# Allegro board 1281021_HW-FMC-XM500_Rev1_0.brd (continued)
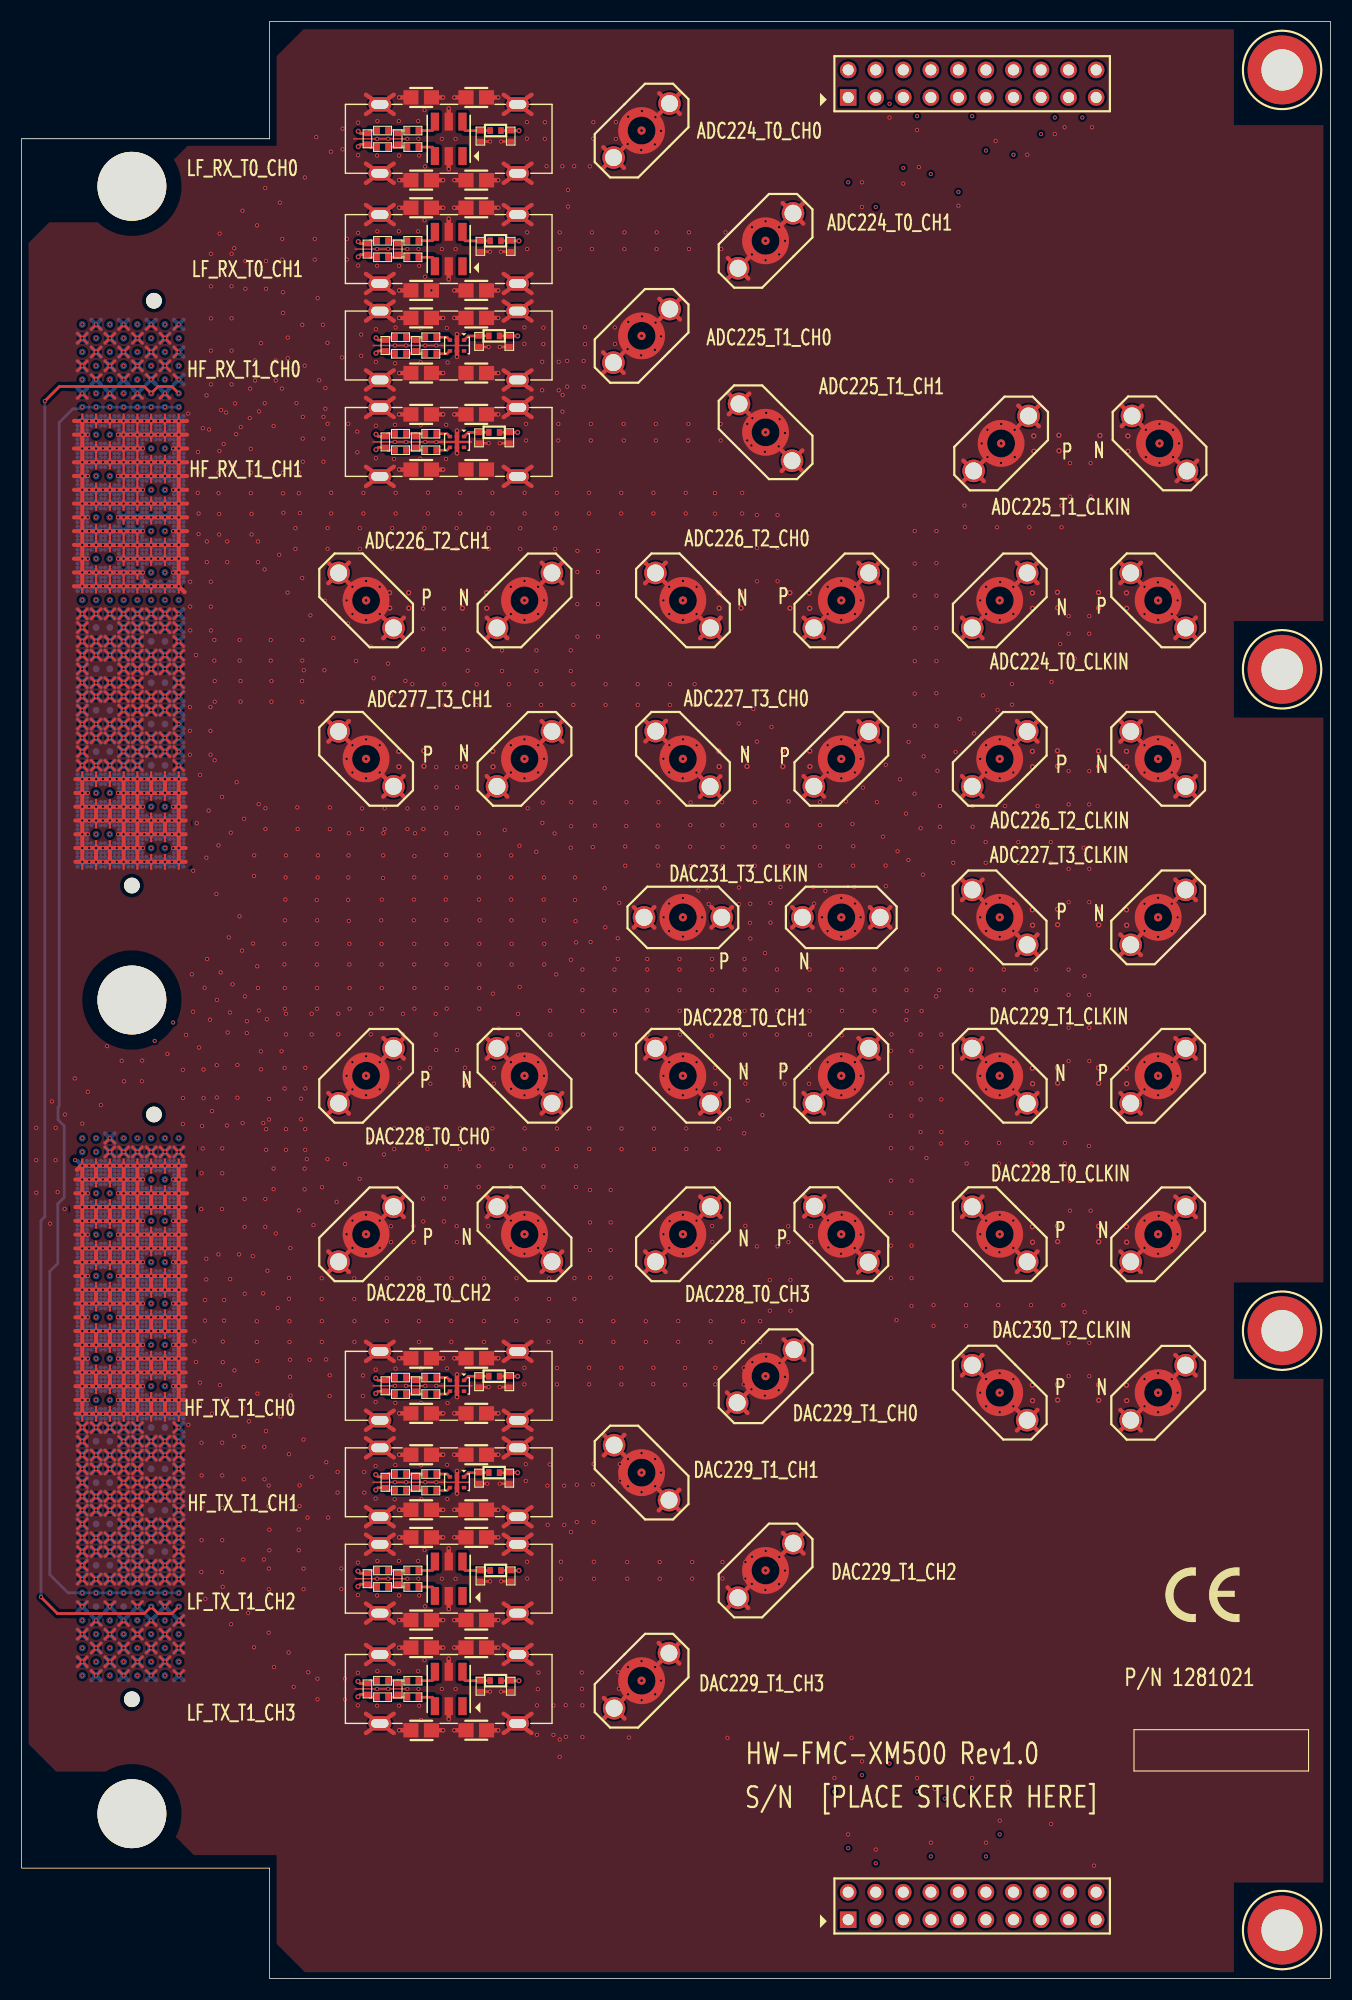
[diagram p0: board, top side]
## Routing (per net, layer and track width the routed paths; a pad name or vN(x,y) marks a point on that pad's centre or on a via; arc(x,y) is an arc through that point) (continued)
  L03_GND w0.381: RFCAGE5.2 47,137.54 ; RFCAGE5.2 47,139.32 ; RFCAGE5.2 44.44,139.32 ; RFCAGE5.2 44.44,137.54 ; 6.48,122.85 v2(6.86,123.22) ; v2(6.86,123.22) 6.48,123.6 ; v2(6.86,123.22) 7.23,122.85 ; v2(6.86,123.22) 7.23,123.6 ; 101.29,128.58 J30.2 ; J30.2 103.19,130.48 ; J30.2 103.19,128.58 ; J30.2 101.29,130.48 ; v2(9.4,120.68) 9.77,120.31 ; v2(9.4,120.68) 9.02,120.31 ; v2(9.4,120.68) 9.77,121.06 ; v2(9.4,120.68) 9.02,121.06 ; v2(13.21,40.61) 13.58,40.98 ; v2(13.21,40.61) 12.83,40.98 ; v2(13.21,40.61) 12.83,40.23 ; v2(13.21,40.61) 13.58,40.23 ; 9.02,43.52 v2(9.4,43.15) ; v2(9.4,43.15) 9.77,42.77 ; v2(9.4,43.15) 9.02,42.77 ; v2(9.4,43.15) 9.77,43.52 ; 12.83,151.54 v2(13.21,151.16) ; v2(13.21,151.16) 13.58,150.79 ; v2(13.21,151.16) 13.58,151.54 ; v2(13.21,151.16) 12.83,150.79 ; v2(5.59,44.42) 5.96,44.79 ; v2(5.59,44.42) 5.21,44.04 ; v2(5.59,44.42) 5.21,44.79 ; v2(5.59,44.42) 5.96,44.04 ; 9.02,126.14 v2(9.4,125.76) ; v2(9.4,125.76) 9.77,125.39 ; v2(9.4,125.76) 9.77,126.14 ; v2(9.4,125.76) 9.02,125.39 ; 6.48,30.82 v2(6.86,30.45) ; v2(6.86,30.45) 7.23,30.82 ; v2(6.86,30.45) 6.48,30.07 ; v2(6.86,30.45) 7.23,30.07 ; 53.67,25.84 J6.3 ; J6.3 53.67,23.94 ; J6.3 55.57,25.84 ; J6.3 55.57,23.94 ; v2(10.67,151.16) 11.04,151.54 ; v2(10.67,151.16) 11.04,150.79 ; v2(10.67,151.16) 10.29,151.54 ; v2(10.67,151.16) 10.29,150.79 ; v2(8.13,125.76) 8.5,125.39 ; v2(8.13,125.76) 7.75,126.14 ; v2(8.13,125.76) 7.75,125.39 ; v2(8.13,125.76) 8.5,126.14 ; 14.1,37.17 v2(14.48,36.8) ; v2(14.48,36.8) 14.85,37.17 ; v2(14.48,36.8) 14.1,36.42 ; v2(14.48,36.8) 14.85,36.42 ; 72.08,81.6 J20.3 ; J20.3 73.98,79.7 ; J20.3 73.98,81.6 ; J20.3 72.08,79.7 ; 5.21,42.77 v2(5.59,43.15) ; v2(5.59,43.15) 5.96,42.77 ; v2(5.59,43.15) 5.96,43.52 ; v2(5.59,43.15) 5.21,43.52 ; 12.83,44.04 v2(13.21,44.42) ; v2(13.21,44.42) 13.58,44.04 ; v2(13.21,44.42) 13.58,44.79 ; v2(13.21,44.42) 12.83,44.79 ; 9.02,146.98 v2(9.4,147.35) ; v2(9.4,147.35) 9.77,147.73 ; v2(9.4,147.35) 9.02,147.73 ; v2(9.4,147.35) 9.77,146.98 ; 28.27,65.1 J22.2 ; J22.2 28.27,67 ; J22.2 30.17,67 ; J22.2 30.17,65.1 ; 6.48,115.23 v2(6.86,115.6) ; v2(6.86,115.6) 7.23,115.23 ; v2(6.86,115.6) 6.48,115.98 ; v2(6.86,115.6) 7.23,115.98 ; v2(10.67,50.77) 11.04,50.39 ; v2(10.67,50.77) 10.29,51.14 ; v2(10.67,50.77) 11.04,51.14 ; v2(10.67,50.77) 10.29,50.39 ; v2(6.86,149.89) 7.23,149.52 ; v2(6.86,149.89) 6.48,150.27 ; v2(6.86,149.89) 6.48,149.52 ; v2(6.86,149.89) 7.23,150.27 ; 10.29,114.71 v2(10.67,114.33) ; v2(10.67,114.33) 11.04,114.71 ; v2(10.67,114.33) 11.04,113.96 ; v2(10.67,114.33) 10.29,113.96 ; 10.29,31.34 v2(10.67,31.72) ; v2(10.67,31.72) 11.04,32.09 ; v2(10.67,31.72) 10.29,32.09 ; v2(10.67,31.72) 11.04,31.34 ; 47.94,115.88 J40.3 ; J40.3 47.94,113.98 ; J40.3 49.84,115.88 ; J40.3 49.84,113.98 ; v2(11.94,125.76) 12.31,126.14 ; v2(11.94,125.76) 12.31,125.39 ; v2(11.94,125.76) 11.56,125.39 ; v2(11.94,125.76) 11.56,126.14 ; 101.29,115.88 J894.2 ; J894.2 103.19,115.88 ; J894.2 103.19,113.98 ; J894.2 101.29,113.98 ; 6.48,119.79 v2(6.86,119.41) ; v2(6.86,119.41) 7.23,119.04 ; v2(6.86,119.41) 7.23,119.79 ; v2(6.86,119.41) 6.48,119.04 ; v2(9.4,48.23) 9.77,47.85 ; v2(9.4,48.23) 9.02,48.6 ; v2(9.4,48.23) 9.02,47.85 ; v2(9.4,48.23) 9.77,48.6 ; 47.94,130.48 J35.3 ; J35.3 49.84,130.48 ; J35.3 47.94,128.58 ; J35.3 49.84,128.58 ; v2(6.86,46.96) 7.23,47.33 ; v2(6.86,46.96) 6.48,46.58 ; v2(6.86,46.96) 6.48,47.33 ; v2(6.86,46.96) 7.23,46.58 ; v2(6.86,32.99) 7.23,33.36 ; v2(6.86,32.99) 7.23,32.61 ; v2(6.86,32.99) 6.48,32.61 ; v2(6.86,32.99) 6.48,33.36 ; 72.08,110.81 J37.3 ; J37.3 72.08,108.91 ; J37.3 73.98,108.91 ; J37.3 73.98,110.81 ; 6.48,126.14 v2(6.86,125.76) ; v2(6.86,125.76) 7.23,125.39 ; v2(6.86,125.76) 6.48,125.39 ; v2(6.86,125.76) 7.23,126.14 ; 28.27,79.7 J26.3 ; J26.3 30.17,79.7 ; J26.3 28.27,81.6 ; J26.3 30.17,81.6 ; J4.2 60.68,171.84 ; J4.2 60.68,173.75 ; J4.2 58.78,171.84 ; J4.2 58.78,173.75 ; 11.56,37.69 v2(11.94,38.07) ; v2(11.94,38.07) 11.56,38.44 ; v2(11.94,38.07) 12.31,37.69 ; v2(11.94,38.07) 12.31,38.44 ; v2(14.48,44.42) 14.85,44.04 ; v2(14.48,44.42) 14.85,44.79 ; v2(14.48,44.42) 14.1,44.79 ; v2(14.48,44.42) 14.1,44.04 ; v2(9.4,41.88) 9.77,41.5 ; v2(9.4,41.88) 9.02,41.5 ; v2(9.4,41.88) 9.77,42.25 ; v2(9.4,41.88) 9.02,42.25 ; 106.36,55.56 J897.3 ; J897.3 108.26,57.46 ; J897.3 106.36,57.46 ; J897.3 108.26,55.56 ; RFCAGE7.2 47,157.1 ; RFCAGE7.2 44.44,157.1 ; RFCAGE7.2 44.44,155.32 ; RFCAGE7.2 47,155.32 ; 70.25,58.9 J7.2 ; J7.2 72.15,56.99 ; J7.2 72.15,58.9 ; J7.2 70.25,56.99 ; 71.03,98.74 J899.2 ; J899.2 72.93,98.74 ; J899.2 72.93,96.84 ; J899.2 71.03,96.84 ; RFCAGE1.2 47,22.6 ; RFCAGE1.2 44.44,22.6 ; RFCAGE1.2 47,24.39 ; RFCAGE1.2 44.44,24.39 ; 6.48,118.52 v2(6.86,118.14) ; v2(6.86,118.14) 7.23,117.77 ; v2(6.86,118.14) 7.23,118.52 ; v2(6.86,118.14) 6.48,117.77 ; v2(9.4,119.41) 9.77,119.79 ; v2(9.4,119.41) 9.02,119.79 ; v2(9.4,119.41) 9.02,119.04 ; v2(9.4,119.41) 9.77,119.04 ; 31.74,145.67 RFCAGE5.4 ; RFCAGE5.4 31.74,143.89 ; RFCAGE5.4 34.3,143.89 ; RFCAGE5.4 34.3,145.67 ; 12.83,48.6 v2(13.21,48.23) ; v2(13.21,48.23) 12.83,47.85 ; v2(13.21,48.23) 13.58,47.85 ; v2(13.21,48.23) 13.58,48.6 ; 10.29,40.23 v2(10.67,40.61) ; v2(10.67,40.61) 11.04,40.98 ; v2(10.67,40.61) 10.29,40.98 ; v2(10.67,40.61) 11.04,40.23 ; 14.1,146.98 v2(14.48,147.35) ; v2(14.48,147.35) 14.85,146.98 ; v2(14.48,147.35) 14.85,147.73 ; v2(14.48,147.35) 14.1,147.73 ; 14.1,76.54 v2(14.48,76.17) ; v2(14.48,76.17) 14.85,76.54 ; v2(14.48,76.17) 14.1,75.79 ; v2(14.48,76.17) 14.85,75.79 ; J889.2 88.72,139.89 ; J889.2 86.81,137.99 ; J889.2 86.81,139.89 ; J889.2 88.72,137.99 ; 9.02,44.79 v2(9.4,44.42) ; v2(9.4,44.42) 9.77,44.04 ; v2(9.4,44.42) 9.02,44.04 ; v2(9.4,44.42) 9.77,44.79 ; 11.56,114.71 v2(11.94,114.33) ; v2(11.94,114.33) 11.56,113.96 ; v2(11.94,114.33) 12.31,114.71 ; v2(11.94,114.33) 12.31,113.96 ; J21.3 59.38,84.77 ; J21.3 57.48,84.77 ; J21.3 59.38,86.67 ; J21.3 57.48,86.67 ; v2(10.67,46.96) 11.04,46.58 ; v2(10.67,46.96) 11.04,47.33 ; v2(10.67,46.96) 10.29,46.58 ; v2(10.67,46.96) 10.29,47.33 ; J27.2 49.84,79.7 ; J27.2 49.84,81.6 ; J27.2 47.94,81.6 ; J27.2 47.94,79.7 ; J7.3 66.91,54 ; J7.3 66.91,52.1 ; J7.3 65.01,54 ; J7.3 65.01,52.1 ; v2(5.59,120.68) 5.96,120.31 ; v2(5.59,120.68) 5.21,120.31 ; v2(5.59,120.68) 5.96,121.06 ; v2(5.59,120.68) 5.21,121.06 ; v2(8.13,39.34) 8.5,38.96 ; v2(8.13,39.34) 7.75,39.71 ; v2(8.13,39.34) 8.5,39.71 ; v2(8.13,39.34) 7.75,38.96 ; 12.83,29.55 v2(13.21,29.18) ; v2(13.21,29.18) 13.58,28.8 ; v2(13.21,29.18) 12.83,28.8 ; v2(13.21,29.18) 13.58,29.55 ; 91.75,96.21 J891.2 ; J891.2 93.65,96.21 ; J891.2 91.75,94.31 ; J891.2 93.65,94.31 ; v2(6.86,50.77) 7.23,51.14 ; v2(6.86,50.77) 6.48,50.39 ; v2(6.86,50.77) 7.23,50.39 ; v2(6.86,50.77) 6.48,51.14 ; 58.79,154.8 J2.2 ; J2.2 58.79,152.9 ; J2.2 60.7,152.9 ; J2.2 60.7,154.8 ; J900.3 65.49,96.84 ; J900.3 65.49,98.74 ; J900.3 63.59,96.84 ; J900.3 63.59,98.74 ; v2(9.4,114.33) 9.77,114.71 ; v2(9.4,114.33) 9.77,113.96 ; v2(9.4,114.33) 9.02,113.96 ; v2(9.4,114.33) 9.02,114.71 ; 11.56,40.23 v2(11.94,40.61) ; v2(11.94,40.61) 12.31,40.98 ; v2(11.94,40.61) 11.56,40.98 ; v2(11.94,40.61) 12.31,40.23 ; v2(10.67,115.6) 11.04,115.98 ; v2(10.67,115.6) 11.04,115.23 ; v2(10.67,115.6) 10.29,115.23 ; v2(10.67,115.6) 10.29,115.98 ; 11.56,150.27 v2(11.94,149.89) ; v2(11.94,149.89) 11.56,149.52 ; v2(11.94,149.89) 12.31,149.52 ; v2(11.94,149.89) 12.31,150.27 ; v2(11.94,36.8) 12.31,37.17 ; v2(11.94,36.8) 11.56,37.17 ; v2(11.94,36.8) 12.31,36.42 ; v2(11.94,36.8) 11.56,36.42 ; 77.1,65.05 J24.2 ; J24.2 77.1,66.95 ; J24.2 79,66.95 ; J24.2 79,65.05 ; J896.3 108.26,84.77 ; J896.3 108.26,86.67 ; J896.3 106.36,84.77 ; J896.3 106.36,86.67 ; 14.1,43.52 v2(14.48,43.15) ; v2(14.48,43.15) 14.85,43.52 ; v2(14.48,43.15) 14.1,42.77 ; v2(14.48,43.15) 14.85,42.77 ; RFCAGE2.2 47,34.55 ; RFCAGE2.2 44.44,32.76 ; RFCAGE2.2 44.44,34.55 ; RFCAGE2.2 47,32.76 ; 7.75,44.04 v2(8.13,44.42) ; v2(8.13,44.42) 7.75,44.79 ; v2(8.13,44.42) 8.5,44.79 ; v2(8.13,44.42) 8.5,44.04 ; 14.1,47.33 v2(14.48,46.96) ; v2(14.48,46.96) 14.85,47.33 ; v2(14.48,46.96) 14.85,46.58 ; v2(14.48,46.96) 14.1,46.58 ; J890.3 108.38,137.99 ; J890.3 106.48,139.89 ; J890.3 108.38,139.89 ; J890.3 106.48,137.99 ; 31.74,41.65 RFCAGE3.1 ; RFCAGE3.1 34.3,43.44 ; RFCAGE3.1 31.74,43.44 ; RFCAGE3.1 34.3,41.65 ; 101.29,81.6 J896.2 ; J896.2 103.19,79.7 ; J896.2 101.29,79.7 ; J896.2 103.19,81.6 ; RFCAGE2.3 47,39.11 ; RFCAGE2.3 44.44,40.9 ; RFCAGE2.3 47,40.9 ; RFCAGE2.3 44.44,39.11 ; 31.74,52.33 RFCAGE4.1 ; RFCAGE4.1 34.3,52.33 ; RFCAGE4.1 34.3,50.54 ; RFCAGE4.1 31.74,50.54 ; 44.44,28.95 RFCAGE1.3 ; RFCAGE1.3 47,30.74 ; RFCAGE1.3 44.44,30.74 ; RFCAGE1.3 47,28.95 ; v2(10.67,38.07) 11.04,37.69 ; v2(10.67,38.07) 10.29,38.44 ; v2(10.67,38.07) 11.04,38.44 ; v2(10.67,38.07) 10.29,37.69 ; v2(14.48,50.77) 14.85,51.14 ; v2(14.48,50.77) 14.85,50.39 ; v2(14.48,50.77) 14.1,50.39 ; v2(14.48,50.77) 14.1,51.14 ; v2(11.94,45.69) 12.31,46.06 ; v2(11.94,45.69) 12.31,45.31 ; v2(11.94,45.69) 11.56,45.31 ; v2(11.94,45.69) 11.56,46.06 ; v2(9.4,111.79) 9.77,111.42 ; v2(9.4,111.79) 9.02,112.17 ; v2(9.4,111.79) 9.02,111.42 ; v2(9.4,111.79) 9.77,112.17 ; 10.29,117.25 v2(10.67,116.87) ; v2(10.67,116.87) 11.04,117.25 ; v2(10.67,116.87) 10.29,116.5 ; v2(10.67,116.87) 11.04,116.5 ; 7.75,77.06 v2(8.13,77.44) ; v2(8.13,77.44) 8.5,77.06 ; v2(8.13,77.44) 7.75,77.81 ; v2(8.13,77.44) 8.5,77.81 ; RFCAGE6.1 34.3,146.43 ; RFCAGE6.1 34.3,148.21 ; RFCAGE6.1 31.74,146.43 ; RFCAGE6.1 31.74,148.21 ; 72.13,70.21 J24.3 ; J24.3 72.13,72.11 ; J24.3 74.03,70.21 ; J24.3 74.03,72.11 ; J899.3 80.1,98.74 ; J899.3 78.2,98.74 ; J899.3 80.1,96.84 ; J899.3 78.2,96.84 ; v2(8.13,46.96) 8.5,47.33 ; v2(8.13,46.96) 7.75,47.33 ; v2(8.13,46.96) 8.5,46.58 ; v2(8.13,46.96) 7.75,46.58 ; v2(11.94,121.95) 12.31,121.58 ; v2(11.94,121.95) 11.56,122.33 ; v2(11.94,121.95) 11.56,121.58 ; v2(11.94,121.95) 12.31,122.33 ; 10.29,76.54 v2(10.67,76.17) ; v2(10.67,76.17) 10.29,75.79 ; v2(10.67,76.17) 11.04,76.54 ; v2(10.67,76.17) 11.04,75.79 ; J33.2 73.98,123.52 ; J33.2 73.98,125.42 ; J33.2 72.08,123.52 ; J33.2 72.08,125.42 ; 56.43,98.74 J900.2 ; J900.2 58.33,98.74 ; J900.2 56.43,96.84 ; J900.2 58.33,96.84 ; 57.48,130.48 J32.3 ; J32.3 57.48,128.58 ; J32.3 59.38,130.48 ; J32.3 59.38,128.58 ; 44.44,58.68 RFCAGE4.3 ; RFCAGE4.3 47,58.68 ; RFCAGE4.3 47,56.89 ; RFCAGE4.3 44.44,56.89 ; v2(14.48,121.95) 14.85,122.33 ; v2(14.48,121.95) 14.1,121.58 ; v2(14.48,121.95) 14.1,122.33 ; v2(14.48,121.95) 14.85,121.58 ; 7.75,75.79 v2(8.13,76.17) ; v2(8.13,76.17) 7.75,76.54 ; v2(8.13,76.17) 8.5,76.54 ; v2(8.13,76.17) 8.5,75.79 ; 6.48,122.33 v2(6.86,121.95) ; v2(6.86,121.95) 7.23,121.58 ; v2(6.86,121.95) 6.48,121.58 ; v2(6.86,121.95) 7.23,122.33 ; J23.3 44.77,72.06 ; J23.3 44.77,70.16 ; J23.3 42.87,72.06 ; J23.3 42.87,70.16 ; 5.21,125.39 v2(5.59,125.76) ; v2(5.59,125.76) 5.96,126.14 ; v2(5.59,125.76) 5.96,125.39 ; v2(5.59,125.76) 5.21,126.14 ; 14.1,120.31 v2(14.48,120.68) ; v2(14.48,120.68) 14.85,121.06 ; v2(14.48,120.68) 14.85,120.31 ; v2(14.48,120.68) 14.1,121.06 ; 6.48,114.71 v2(6.86,114.33) ; v2(6.86,114.33) 7.23,113.96 ; v2(6.86,114.33) 7.23,114.71 ; v2(6.86,114.33) 6.48,113.96 ; 86.69,110.81 J893.3 ; J893.3 88.59,108.91 ; J893.3 86.69,108.91 ; J893.3 88.59,110.81 ; 9.02,40.98 v2(9.4,40.61) ; v2(9.4,40.61) 9.77,40.98 ; v2(9.4,40.61) 9.02,40.23 ; v2(9.4,40.61) 9.77,40.23 ; 86.69,125.42 J31.3 ; J31.3 88.59,123.52 ; J31.3 88.59,125.42 ; J31.3 86.69,123.52 ; v2(13.21,148.62) 13.58,149 ; v2(13.21,148.62) 13.58,148.25 ; v2(13.21,148.62) 12.83,149 ; v2(13.21,148.62) 12.83,148.25 ; 6.48,111.42 v2(6.86,111.79) ; v2(6.86,111.79) 6.48,112.17 ; v2(6.86,111.79) 7.23,112.17 ; v2(6.86,111.79) 7.23,111.42 ; 44.44,41.65 RFCAGE3.2 ; RFCAGE3.2 47,41.65 ; RFCAGE3.2 47,43.44 ; RFCAGE3.2 44.44,43.44 ; v2(5.59,34.26) 5.96,34.63 ; v2(5.59,34.26) 5.21,33.88 ; v2(5.59,34.26) 5.21,34.63 ; v2(5.59,34.26) 5.96,33.88 ; v2(13.21,41.88) 13.58,42.25 ; v2(13.21,41.88) 12.83,41.5 ; v2(13.21,41.88) 12.83,42.25 ; v2(13.21,41.88) 13.58,41.5 ; RFCAGE6.4 34.3,154.56 ; RFCAGE6.4 34.3,152.78 ; RFCAGE6.4 31.74,152.78 ; RFCAGE6.4 31.74,154.56 ; 44.44,143.89 RFCAGE5.3 ; RFCAGE5.3 44.44,145.67 ; RFCAGE5.3 47,143.89 ; RFCAGE5.3 47,145.67 ; v2(14.48,118.14) 14.85,118.52 ; v2(14.48,118.14) 14.1,117.77 ; v2(14.48,118.14) 14.1,118.52 ; v2(14.48,118.14) 14.85,117.77 ; 14.1,41.5 v2(14.48,41.88) ; v2(14.48,41.88) 14.85,41.5 ; v2(14.48,41.88) 14.1,42.25 ; v2(14.48,41.88) 14.85,42.25 ; v2(14.48,152.43) 14.85,152.06 ; v2(14.48,152.43) 14.85,152.81 ; v2(14.48,152.43) 14.1,152.81 ; v2(14.48,152.43) 14.1,152.06 ; 33.33,108.91 J39.3 ; J39.3 35.23,108.91 ; J39.3 35.23,110.81 ; J39.3 33.33,110.81 ; 44.44,173.61 RFCAGE8.3 ; RFCAGE8.3 47,171.83 ; RFCAGE8.3 47,173.61 ; RFCAGE8.3 44.44,171.83 ; 7.75,117.77 v2(8.13,118.14) ; v2(8.13,118.14) 8.5,118.52 ; v2(8.13,118.14) 8.5,117.77 ; v2(8.13,118.14) 7.75,118.52 ; 14.1,112.17 v2(14.48,111.79) ; v2(14.48,111.79) 14.1,111.42 ; v2(14.48,111.79) 14.85,112.17 ; v2(14.48,111.79) 14.85,111.42 ; 57.48,67 J25.3 ; J25.3 57.48,65.1 ; J25.3 59.38,65.1 ; J25.3 59.38,67 ; 7.75,123.6 v2(8.13,123.22) ; v2(8.13,123.22) 7.75,122.85 ; v2(8.13,123.22) 8.5,123.6 ; v2(8.13,123.22) 8.5,122.85 ; 91.75,65.1 J28.3 ; J28.3 93.65,67 ; J28.3 91.75,67 ; J28.3 93.65,65.1 ; v2(5.59,124.49) 5.96,124.12 ; v2(5.59,124.49) 5.21,124.87 ; v2(5.59,124.49) 5.21,124.12 ; v2(5.59,124.49) 5.96,124.87 ; J28.2 88.59,72.06 ; J28.2 86.69,70.16 ; J28.2 88.59,70.16 ; J28.2 86.69,72.06 ; 10.29,145.71 v2(10.67,146.08) ; v2(10.67,146.08) 11.04,146.46 ; v2(10.67,146.08) 10.29,146.46 ; v2(10.67,146.08) 11.04,145.71 ; 12.83,124.87 v2(13.21,124.49) ; v2(13.21,124.49) 13.58,124.12 ; v2(13.21,124.49) 12.83,124.12 ; v2(13.21,124.49) 13.58,124.87 ; v2(9.4,36.8) 9.77,36.42 ; v2(9.4,36.8) 9.02,36.42 ; v2(9.4,36.8) 9.77,37.17 ; v2(9.4,36.8) 9.02,37.17 ; 14.1,124.87 v2(14.48,124.49) ; v2(14.48,124.49) 14.1,124.12 ; v2(14.48,124.49) 14.85,124.12 ; v2(14.48,124.49) 14.85,124.87 ; v2(10.67,123.22) 11.04,123.6 ; v2(10.67,123.22) 10.29,123.6 ; v2(10.67,123.22) 11.04,122.85 ; v2(10.67,123.22) 10.29,122.85 ; 10.29,42.77 v2(10.67,43.15) ; v2(10.67,43.15) 11.04,42.77 ; v2(10.67,43.15) 11.04,43.52 ; v2(10.67,43.15) 10.29,43.52 ; v2(9.4,152.43) 9.77,152.81 ; v2(9.4,152.43) 9.77,152.06 ; v2(9.4,152.43) 9.02,152.06 ; v2(9.4,152.43) 9.02,152.81 ; v2(9.4,124.49) 9.77,124.87 ; v2(9.4,124.49) 9.02,124.87 ; v2(9.4,124.49) 9.02,124.12 ; v2(9.4,124.49) 9.77,124.12 ; 91.88,143.05 J889.3 ; J889.3 91.88,144.95 ; J889.3 93.78,143.05 ; J889.3 93.78,144.95 ; J34.2 35.23,125.42 ; J34.2 35.23,123.52 ; J34.2 33.33,123.52 ; J34.2 33.33,125.42 ; 10.29,111.42 v2(10.67,111.79) ; v2(10.67,111.79) 11.04,111.42 ; v2(10.67,111.79) 10.29,112.17 ; v2(10.67,111.79) 11.04,112.17 ; 77.15,84.77 J20.2 ; J20.2 77.15,86.67 ; J20.2 79.05,84.77 ; J20.2 79.05,86.67 ; v2(10.67,36.8) 11.04,36.42 ; v2(10.67,36.8) 10.29,37.17 ; v2(10.67,36.8) 11.04,37.17 ; v2(10.67,36.8) 10.29,36.42 ; J5.2 72.08,39.15 ; J5.2 72.08,41.05 ; J5.2 70.18,41.05 ; J5.2 70.18,39.15 ; 14.1,113.44 v2(14.48,113.06) ; v2(14.48,113.06) 14.1,112.69 ; v2(14.48,113.06) 14.85,112.69 ; v2(14.48,113.06) 14.85,113.44 ; v2(11.94,48.23) 12.31,48.6 ; v2(11.94,48.23) 11.56,47.85 ; v2(11.94,48.23) 11.56,48.6 ; v2(11.94,48.23) 12.31,47.85 ; v2(13.21,125.76) 13.58,126.14 ; v2(13.21,125.76) 12.83,125.39 ; v2(13.21,125.76) 12.83,126.14 ; v2(13.21,125.76) 13.58,125.39 ; v2(5.59,38.07) 5.96,38.44 ; v2(5.59,38.07) 5.96,37.69 ; v2(5.59,38.07) 5.21,37.69 ; v2(5.59,38.07) 5.21,38.44 ; v2(13.21,146.08) 13.58,145.71 ; v2(13.21,146.08) 13.58,146.46 ; v2(13.21,146.08) 12.83,146.46 ; v2(13.21,146.08) 12.83,145.71 ; 62.54,72.06 J25.2 ; J25.2 62.54,70.16 ; J25.2 64.44,70.16 ; J25.2 64.44,72.06 ; v2(10.67,49.5) 11.04,49.12 ; v2(10.67,49.5) 11.04,49.87 ; v2(10.67,49.5) 10.29,49.12 ; v2(10.67,49.5) 10.29,49.87 ; 9.02,122.85 v2(9.4,123.22) ; v2(9.4,123.22) 9.77,123.6 ; v2(9.4,123.22) 9.77,122.85 ; v2(9.4,123.22) 9.02,123.6 ; 31.74,137.54 RFCAGE5.1 ; RFCAGE5.1 34.3,137.54 ; RFCAGE5.1 34.3,139.32 ; RFCAGE5.1 31.74,139.32 ; v2(5.59,50.77) 5.96,51.14 ; v2(5.59,50.77) 5.96,50.39 ; v2(5.59,50.77) 5.21,50.39 ; v2(5.59,50.77) 5.21,51.14 ; v2(9.4,49.5) 9.77,49.12 ; v2(9.4,49.5) 9.02,49.12 ; v2(9.4,49.5) 9.02,49.87 ; v2(9.4,49.5) 9.77,49.87 ; v2(14.48,125.76) 14.85,125.39 ; v2(14.48,125.76) 14.85,126.14 ; v2(14.48,125.76) 14.1,125.39 ; v2(14.48,125.76) 14.1,126.14 ; J3.3 67,156.66 ; J3.3 65.1,156.66 ; J3.3 65.1,158.57 ; J3.3 67,158.57 ; 5.21,117.25 v2(5.59,116.87) ; v2(5.59,116.87) 5.96,116.5 ; v2(5.59,116.87) 5.96,117.25 ; v2(5.59,116.87) 5.21,116.5 ; 7.75,121.58 v2(8.13,121.95) ; v2(8.13,121.95) 8.5,122.33 ; v2(8.13,121.95) 7.75,122.33 ; v2(8.13,121.95) 8.5,121.58 ; RFCAGE4.2 47,52.33 ; RFCAGE4.2 47,50.54 ; RFCAGE4.2 44.44,50.54 ; RFCAGE4.2 44.44,52.33 ; v2(8.13,115.6) 8.5,115.98 ; v2(8.13,115.6) 8.5,115.23 ; v2(8.13,115.6) 7.75,115.23 ; v2(8.13,115.6) 7.75,115.98 ; v2(14.48,40.61) 14.85,40.23 ; v2(14.48,40.61) 14.1,40.98 ; v2(14.48,40.61) 14.85,40.98 ; v2(14.48,40.61) 14.1,40.23 ; v2(10.67,121.95) 11.04,122.33 ; v2(10.67,121.95) 10.29,121.58 ; v2(10.67,121.95) 10.29,122.33 ; v2(10.67,121.95) 11.04,121.58 ; 14.1,47.85 v2(14.48,48.23) ; v2(14.48,48.23) 14.85,47.85 ; v2(14.48,48.23) 14.85,48.6 ; v2(14.48,48.23) 14.1,48.6 ; v2(8.13,31.72) 8.5,31.34 ; v2(8.13,31.72) 7.75,31.34 ; v2(8.13,31.72) 7.75,32.09 ; v2(8.13,31.72) 8.5,32.09 ; RFCAGE7.1 34.3,155.32 ; RFCAGE7.1 34.3,157.1 ; RFCAGE7.1 31.74,155.32 ; RFCAGE7.1 31.74,157.1 ; 6.48,44.04 v2(6.86,44.42) ; v2(6.86,44.42) 7.23,44.04 ; v2(6.86,44.42) 7.23,44.79 ; v2(6.86,44.42) 6.48,44.79 ; v2(9.4,118.14) 9.77,117.77 ; v2(9.4,118.14) 9.77,118.52 ; v2(9.4,118.14) 9.02,117.77 ; v2(9.4,118.14) 9.02,118.52 ; v2(5.59,46.96) 5.96,47.33 ; v2(5.59,46.96) 5.21,47.33 ; v2(5.59,46.96) 5.96,46.58 ; v2(5.59,46.96) 5.21,46.58 ; v2(6.86,36.8) 7.23,37.17 ; v2(6.86,36.8) 6.48,36.42 ; v2(6.86,36.8) 7.23,36.42 ; v2(6.86,36.8) 6.48,37.17 ; 31.74,24.39 RFCAGE1.1 ; RFCAGE1.1 34.3,24.39 ; RFCAGE1.1 31.74,22.6 ; RFCAGE1.1 34.3,22.6 ; v2(9.4,113.06) 9.77,112.69 ; v2(9.4,113.06) 9.02,113.44 ; v2(9.4,113.06) 9.77,113.44 ; v2(9.4,113.06) 9.02,112.69 ; 65.19,144.16 J1.2 ; J1.2 65.19,146.06 ; J1.2 67.09,144.16 ; J1.2 67.09,146.06 ; 9.02,50.39 v2(9.4,50.77) ; v2(9.4,50.77) 9.77,50.39 ; v2(9.4,50.77) 9.02,51.14 ; v2(9.4,50.77) 9.77,51.14 ; RFCAGE8.2 47,165.48 ; RFCAGE8.2 44.44,165.48 ; RFCAGE8.2 44.44,167.26 ; RFCAGE8.2 47,167.26 ; J22.3 35.23,70.16 ; J22.3 35.23,72.06 ; J22.3 33.33,70.16 ; J22.3 33.33,72.06 ; 5.21,149 v2(5.59,148.62) ; v2(5.59,148.62) 5.96,148.25 ; v2(5.59,148.62) 5.96,149 ; v2(5.59,148.62) 5.21,148.25 ; J5.3 66.98,36.03 ; J5.3 66.98,34.13 ; J5.3 65.08,34.13 ; J5.3 65.08,36.03 ; 62.52,110.79 J36.2 ; J36.2 64.42,108.89 ; J36.2 62.52,108.89 ; J36.2 64.42,110.79 ; RFCAGE3.4 34.3,49.79 ; RFCAGE3.4 31.74,48 ; RFCAGE3.4 34.3,48 ; RFCAGE3.4 31.74,49.79 ; J898.2 88.59,57.46 ; J898.2 86.69,55.56 ; J898.2 86.69,57.46 ; J898.2 88.59,55.56 ; J29.3 108.26,70.16 ; J29.3 106.36,70.16 ; J29.3 106.36,72.06 ; J29.3 108.26,72.06 ; v2(13.21,121.95) 13.58,121.58 ; v2(13.21,121.95) 12.83,121.58 ; v2(13.21,121.95) 13.58,122.33 ; v2(13.21,121.95) 12.83,122.33 ; v2(10.67,148.62) 11.04,148.25 ; v2(10.67,148.62) 11.04,149 ; v2(10.67,148.62) 10.29,149 ; v2(10.67,148.62) 10.29,148.25 ; 6.48,38.96 v2(6.86,39.34) ; v2(6.86,39.34) 7.23,38.96 ; v2(6.86,39.34) 7.23,39.71 ; v2(6.86,39.34) 6.48,39.71 ; J892.2 108.26,101.27 ; J892.2 106.36,99.37 ; J892.2 108.26,99.37 ; J892.2 106.36,101.27 ; v2(14.48,119.41) 14.85,119.04 ; v2(14.48,119.41) 14.85,119.79 ; v2(14.48,119.41) 14.1,119.79 ; v2(14.48,119.41) 14.1,119.04 ; v2(5.59,113.06) 5.96,113.44 ; v2(5.59,113.06) 5.21,113.44 ; v2(5.59,113.06) 5.21,112.69 ; v2(5.59,113.06) 5.96,112.69 ; J1.3 71.97,140.83 ; J1.3 70.07,140.83 ; J1.3 71.97,138.92 ; J1.3 70.07,138.92 ; 5.21,145.71 v2(5.59,146.08) ; v2(5.59,146.08) 5.21,146.46 ; v2(5.59,146.08) 5.96,145.71 ; v2(5.59,146.08) 5.96,146.46 ; v2(5.59,114.33) 5.96,114.71 ; v2(5.59,114.33) 5.21,114.71 ; v2(5.59,114.33) 5.96,113.96 ; v2(5.59,114.33) 5.21,113.96 ; J21.2 64.44,79.7 ; J21.2 64.44,81.6 ; J21.2 62.54,79.7 ; J21.2 62.54,81.6 ; 14.1,123.6 v2(14.48,123.22) ; v2(14.48,123.22) 14.1,122.85 ; v2(14.48,123.22) 